# Altium PCB PCB2_dirt_routed.PcbDoc (part 1 of 2) (continued)
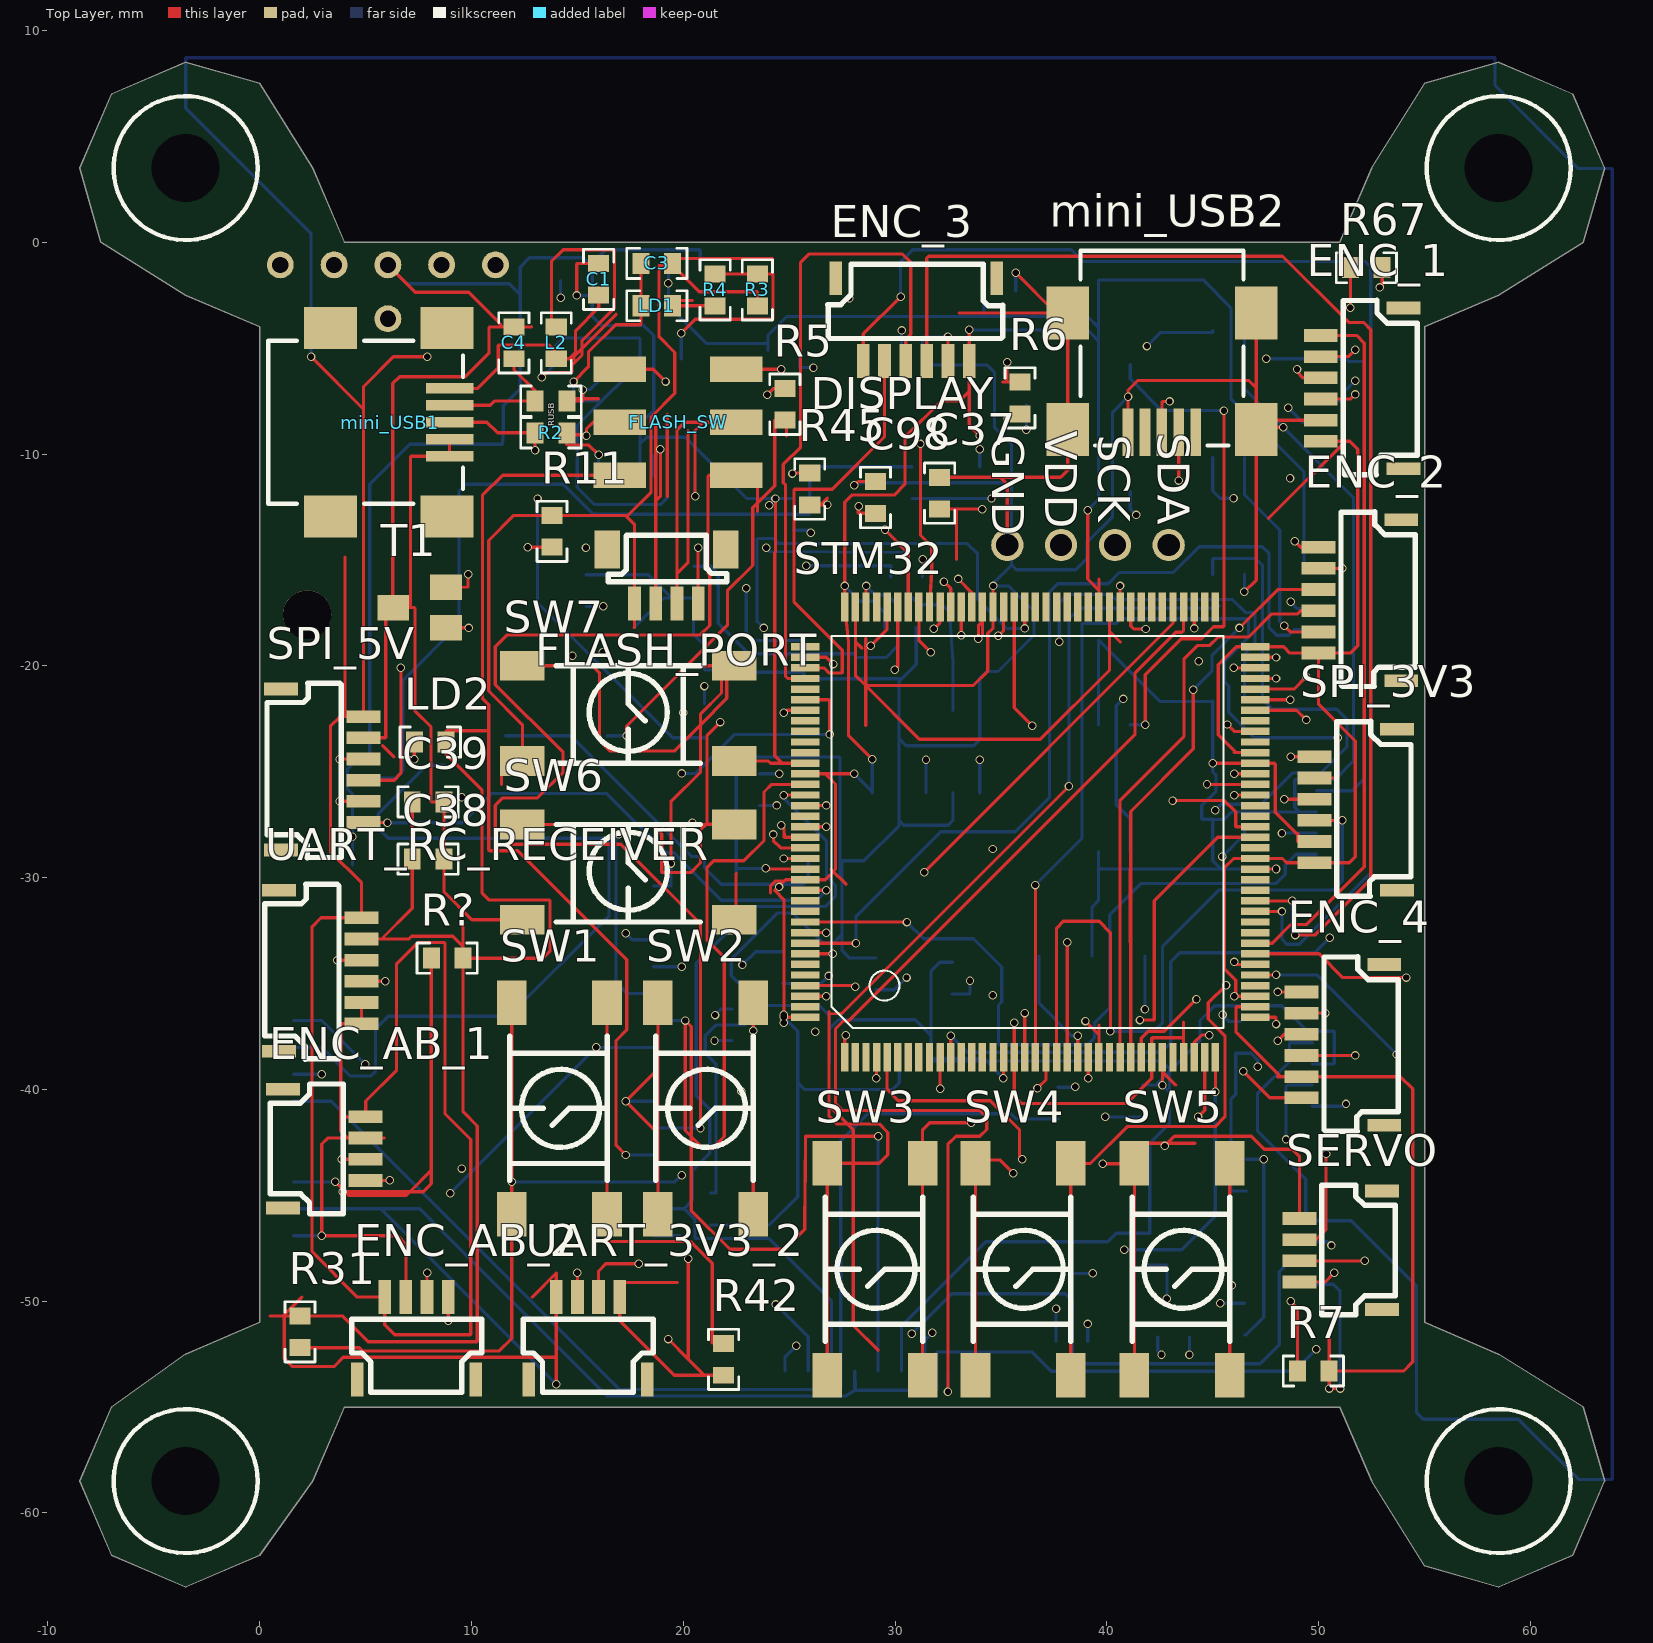
[diagram p0: Top Layer view]
## Footprints (in the part's own frame and the unit in brackets; to place one, negate y for a bottom-side part, rotate by r counter-clockwise, add the part's x,y. Pads: shape width x height; smd on the part's side, far side on the other; paste and mask are expansions set on the pad) (continued)
  rect 1.35x0.35 smd: 37(0,0) 38(0,0.5) 39(0,1) 40(0,1.5) 41(0,2) 42(0,2.5) 43(0,3) 44(0,3.5) 45(0,4) 46(0,4.5) 47(0,5) 48(0,5.5) 49(0,6) 50(0,6.5) 51(0,7) 52(0,7.5) 53(0,8) 54(0,8.5) 55(0,9) 56(0,9.5) 57(0,10) 58(0,10.5) 59(0,11) 60(0,11.5) 61(0,12) 62(0,12.5) 63(0,13) 64(0,13.5) 65(0,14) 66(0,14.5) 67(0,15) 68(0,15.5) 69(0,16) 70(0,16.5) 71(0,17) 72(0,17.5) 109(-21.25,17.5) 110(-21.25,17) 111(-21.25,16.5) 112(-21.25,16) 113(-21.25,15.5) 114(-21.25,15) 115(-21.25,14.5) 116(-21.25,14) 117(-21.25,13.5) 118(-21.25,13) 119(-21.25,12.5) 120(-21.25,12) 121(-21.25,11.5) 122(-21.25,11) 123(-21.25,10.5) 124(-21.25,10) 125(-21.25,9.5) 126(-21.25,9) 127(-21.25,8.5) 128(-21.25,8) 129(-21.25,7.5) 130(-21.25,7) 131(-21.25,6.5) 132(-21.25,6) 133(-21.25,5.5) 134(-21.25,5) 135(-21.25,4.5) 136(-21.25,4) 137(-21.25,3.5) 138(-21.25,3) 139(-21.25,2.5) 140(-21.25,2) 141(-21.25,1.5) 142(-21.25,1) 143(-21.25,0.5) 144(-21.25,0)
  silkscreen extent -20,-0.5 -1.5,18, body extent -21.62,-2.25 0.38,19.75, height 2
"LSH Gullwing" [mm]
  rect 2.1x1.4 smd: 1(-10,4.5) 2(0,4.5) 3(-10,0) 4(0,0)
  silkscreen extent -8.4,0 -1.6,4.6, body extent -10,-0.75 0,5.25, height 4.97
"MinIMU-9 v5 9DOF - GOLDPINS" [mil]
  round 50 hole 30: 1(-450,50) 2(-350,50) 3(-250,50) 4(-150,50) 5(-50,50) 6(-250,150)
  round 90 hole 90: 7(-400,700)
  silkscreen extent -500,0 0,800, body extent -500,0 0,800, height 336
R0603 [mm]
  rect 0.8x1 smd: 1(0,0) 2(1.5,0)
  silkscreen extent -0.67,-0.71 2.17,0.71, body extent -0.04,-0.43 1.56,0.43, height 0.48
"R0603 - double" [mil]
  rect 31x38 smd: 1(-63,0) 2(0,0) 3(62.99,0)
  silkscreen extent -88,-28 87,28, body extent -64,-17 67,17, height 19
SMT-0540-S-R [mm]
  rect 1x1.2 smd: 1(0,4.8) 2(0,0) ""(-3.5,0)
  silkscreen extent -3.8,1 0.4,3.9, body extent -4.25,-0.4 0.75,5.1, height 2.11
SOT23 [mm]
  rect 1.2x1.5 smd: 1(0,0) 2(1.9,0) 3(0.95,2.5)
  body extent -0.48,0.02 2.52,2.52, height 1.06
SSD1306 [mil]
  round 60 hole 41.34: 1(0,0) 2(100,0) 3(200,0) 4(300,0)
  body extent -376,-1006 675,91, height 373
SSOP16 [mm]
  rect 0.42x1.3 smd: 1(-4.55,-5.5) 2(-3.9,-5.5) 3(-3.25,-5.5) 4(-2.6,-5.5) 5(-1.95,-5.5) 6(-1.3,-5.5) 7(-0.65,-5.5) 8(0,-5.5) 9(0,0) 10(-0.65,0) 11(-1.3,0) 12(-1.95,0) 13(-2.6,0) 14(-3.25,0) 15(-3.9,0) 16(-4.55,0)
  silkscreen extent -4.5,-4.5 0,-1, body extent -4.91,-6 0.39,0.46, height 1.65

## Part data
C1 C2 C3 C4 C5 C21 C22 C23 C27 C28 C37 C38 C39 C51 C61 C70 C71 C72 C73 C74 C75 C76 C77 C78 C79 C80 C98 C99: library part Cap
ENC_1 ENC_2 ENC_3 ENC_4 SPI_3V3 SPI_5V: library part SPI
FLASH_PORT: library part UART_4PIN
I2C_3V3 I2C_5V: library part I2C
L2: library part L
LD1 LD2 LD3 LD4 LD5 LD6 LD7 LD8 LD9: library part LED
mini_USB1 mini_USB2: "Mini USB 2.0 Type AB Receptacle WR-COM, Horizontal, SMT, with Pads"
R2 R3 R4 R5 R6 R6? R7 R7? R8 R8? R9 R9? R11 R21 R22 R23 R24 R25 R26 R31 R32 R42 R45 R47 R48 R49 R52 R67 R68 R? R?7 RUSB: library part Res
R10: library part Res_2_way
SERVO: library part "4 PIN CONNECTOR"
SW1 SW2 SW3 SW4 SW5 SW6 SW7: library part Tact_Switch_Simply
U1: library part FT230XS_ON_BOARD
UART_RC_RECEIVER: library part UART

## Free pads (board coordinates)
  round 0 hole 3.2: ""(-3.5,-58.5) ""(-3.5,3.5) ""(58.5,-58.5) ""(58.5,3.5)

## Via types
v1: diameter 0.4, hole 0.3, Top Layer to Bottom Layer, 275 vias

## Nets (pads, with @x,y where several pads share a name; then routed paths per layer and width w, separated by ;. In a path a pad name is that pad's centre, name@x,y a point inside that pad or via, vN(x,y) a via of type N, cw(c..) or ccw(c..) an arc to the next point about the centre after c; other vN are vias at no path point)
GND: C1.1 C2.1 C3.2 C4.2 C5.2 C21.2 C22.2 C23.2 C27.2 C28.2 C37.2 C38.1 C39.1 C61.2 C70.1 C71.1 C72.1 C73.1 C74.1 C75.1 C76.1 C77.1 C78.1 C79.1 C80.1 C98.2 C99.1 DISPLAY.1 ENC_1.2 ENC_2.2 ENC_3.2 ENC_4.2 ENC_AB_1.2 ENC_AB_2.2 ENC_AB_3.2 ENC_AB_4.2 ESP32.1 ESP32.15 ESP32.38 FLASH_PORT.4 IDC*.2 IDC*.4 IDC*.6 IDC*.9 IMU.3 LD3.2 LD4.2 LD5.2 LD6.2 LD7.2 LD8.2 LD9.2 LED_UP.2 LIGHTS.2 mini_USB1.4 mini_USB1.5 mini_USB2.5 mini_USB2.Shell Oscilator_1.2 R3.2 R7.1 R10.3 R11.2 R22.1 R24.1 R26.1 R32.1 R42.1 SPI_3V3.2 SPI_5V.2 STM32.16 STM32.31 STM32.38 STM32.51 STM32.61 STM32.83 STM32.94 STM32.107 STM32.120 STM32.130 SW6.1 SW6.2 SW7.1 SW7.2 T1.3 U1.5 U1.13 UART_3V3_2.4 UART_5V_2.4 UART_RC_RECEIVER.5 UART_RC_RECEIVER.6 uSD_slot.6 | length 791.6
  Top Layer w0.152: UART_RC_RECEIVER.5@4.8,-35.9 4.8,-36.424 UART_RC_RECEIVER.6@4.8,-36.9 3.845,-36.9 3.829,-36.916 3.829,-41.966 4.163,-42.3 ; SPI_5V.2@4.9,-23.4 5.775,-23.4 5.928,-23.4 5.953,-23.375 5.953,-17.25 T1.3@6.283,-17.25 ; 5.801,-23.767 6.334,-24.3 ; 5.877,-42.3 ENC_AB_1.2@5,-42.3 4.163,-42.3 ; IMU.3@6.05,-1.07 7.342,-2.362 9.878,-2.362 11.148,-3.632 11.465,-4 ; ENC_AB_2.2@6.9,-49.8 6.9,-47.307 6.506,-46.914 v1(2.931,-46.914) 2.931,-42.579 3.21,-42.3 4.163,-42.3 ; mini_USB1.4@8.965,-9.3 8.965,-9.703 mini_USB1.5@8.965,-10.1 7.147,-10.1 7.122,-10.125 7.122,-17.225 7.096,-17.25 ; 11.414,-25.603 SW7.2@11.414,-24.496 ; SW6.2@12.4,-31.996 10.017,-31.996 8.7,-30.679 C38.1@8.7,-29.125 8.7,-27.788 C39.1@8.7,-26.425 8.112,-26.425 8.087,-26.4 8.087,-22.885 7.325,-22.123 7.325,-17.275 7.299,-17.25 7.096,-17.25 ; SW7.2@12.4,-24.496 12.405,-24.496 12.405,-22.779 10.817,-21.191 10.817,-14.085 12.002,-12.9 12.76,-12.9 12.973,-12.9 R11.2@13.8,-12.9 17.265,-12.9 ; 12.837,-3.988 12.824,-4 C4.2@12,-4 11.465,-4 ; v1(14.97,-2.514) 14.97,-1.025 14.996,-1 C1.1@16,-1 ; UART_3V3_2.4@17,-49.8 17,-50.925 17.002,-50.927 19.575,-53.5 20.99,-53.5 ; UART_3V3_2.4@17,-49.124 19.72,-49.124 ; 17.688,-18.186 17.699,-18.176 17.7,-18.174 ; 17.7,-18.177 17.7,-18.174 ; v1(19.288,-51.791) 20.232,-52.742 ; C3.2@19.5,-1 C3.2@19.5,-1.092 ; C3.2@19.5,-0.762 24.216,-0.762 ; v1(20.232,-47.992) 20.232,-52.742 ; R42.1@21.9,-53.5 21.244,-53.5 20.99,-53.5 ; SW6.1@22.4,-31.996 22.489,-31.996 22.489,-29.82 22.5,-29.808 ; SW7.1@22.4,-24.496 24.013,-24.496 24.116,-24.6 24.673,-24.6 ; R3.2@23.5,-3 23.505,-3 23.505,-2.362 23.479,-2.337 20.745,-2.337 C3.2@19.5,-1.092 ; v1(23.886,-29.566) 23.92,-29.6 STM32.130@25.75,-29.6 ; v1(24.352,-12.1) 24.352,-14.64 24.317,-14.675 24.317,-24.244 24.673,-24.6 ; STM32.120@25.75,-24.6 24.673,-24.6 ; 26.968,-29.6 27.686,-30.318 ; v1(28.074,-11.481) 28.254,-11.3 C98.2@29.075,-11.3 ; STM32.107@28.125,-17.225 28.125,-18.237 28.125,-18.796 28.125,-18.862 ; 28.61,-22.822 28.61,-20.93 ; 28.61,-18.722 28.61,-20.93 ; C37.2@32.1,-11.1 34.97,-11.1 ; v1(32.496,-4.47) 32.5,-4.474 ENC_3.2@32.5,-5.6 ; 33.03,-3.34 mini_USB2.Shell@37.592,-3.34 ; v1@34.625,-16.223 v1@34.625,-16.235 ; v1@34.63,-16.11 v1(34.63,-16.231) v1@34.625,-16.235 ; v1(35.112,-39.472) 35.125,-39.459 STM32.16@35.125,-38.475 ; DISPLAY.1@35.3,-14.3 35.3,-11.43 34.97,-11.1 ; v1(35.7,-1.448) mini_USB2.Shell@37.592,-3.34 ; STM32.83@40.125,-17.225 40.125,-18.365 ; 40.636,-18.876 40.125,-18.365 ; mini_USB2.5@41,-8.965 v1(41,-7.294) 41,-6.985 41.457,-6.528 46.708,-6.528 47.05,-6.87 ; v1(42.625,-39.8) 42.625,-39.165 ; STM32.31@42.625,-38.475 42.625,-39.165 ; 43.26,-39.8 42.625,-39.165 ; v1(45,-24.6) STM32.61@47,-24.6 47.917,-24.6 47.955,-24.638 47.955,-26.915 49.016,-27.975 ; v1(46.492,-16.51) 47.05,-15.952 mini_USB2.Shell@47.05,-8.84 mini_USB2.Shell@47.05,-8.738 ; STM32.38@47,-36.1 46.136,-36.1 46.096,-36.14 46.096,-37.286 48.211,-39.4 ; STM32.51@47,-29.6 v1@47.981,-29.6 ; mini_USB2.Shell@47.05,-3.34 47.05,-4.686 47.05,-6.096 47.05,-6.87 ; v1(47.99,-29.591) v1@47.981,-29.6 ; v1@48.002,-29.6 v1(47.99,-29.6) v1@47.981,-29.6 ; 48.066,-39.4 48.211,-39.4 ; v1(48.329,-8.738) mini_USB2.Shell@47.05,-8.738 ; v1(48.371,-18.11) 48.661,-18.4 ENC_2.2@50,-18.4 ; SPI_3V3.2@49.016,-28.3 49.016,-27.975 ; 49.016,-27.927 49.016,-27.975 ; SPI_3V3.2@49.8,-28.3 49.341,-28.3 49.016,-27.975 ; ENC_1.2@50.1,-8.4 47.331,-8.4 mini_USB2.Shell@47.05,-8.119 ; v1(50.5,-54.127) v1@50.5,-54.102 ; 50.5,-51.364 R7.1@50.5,-53.3 ; v1(51.013,-54.127) 50.525,-54.127 50.513,-54.115 v1@50.5,-54.102 ; T1.3@6.283,-17.25 6.283,-10.477 6.283,-6.667 6.601,-6.35 9.7,-6.35 10.83,-5.22 10.83,-4.025 10.855,-4 11.465,-4 ; T1.3@6.283,-17.25 T1.3@6.3,-17.25 7.096,-17.25 ; 17.265,-12.9 17.39,-12.9 18.479,-11.811 18.479,-8.252 19.593,-7.137 19.593,-5.207 18.856,-4.47 18.856,-1.118 18.882,-1.092 C3.2@19.5,-1.092 ; 17.265,-12.9 17.7,-13.335 FLASH_PORT.4@17.7,-17.05 17.7,-18.174 ; 20.232,-52.742 20.99,-53.5 ; 28.125,-18.862 28.125,-20.445 28.61,-20.93 ; 28.125,-18.862 28.442,-19.179 28.409,-19.147 28.125,-18.862 ; 28.61,-20.93 28.612,-20.931 ; 28.612,-20.931 31.15,-23.47 36.865,-23.47 40.125,-20.21 40.125,-18.365 ; 28.612,-20.931 33.696,-20.931 34.379,-20.249 34.379,-18.469 34.625,-18.223 STM32.94@34.625,-17.225 v1@34.625,-16.235 ; 34.97,-11.1 36.002,-11.1 37.818,-11.1 38.15,-10.768 mini_USB2.Shell@38.15,-8.84 38.15,-6.096 mini_USB2.Shell@38.15,-3.34 mini_USB2.Shell@37.592,-3.34 ; mini_USB2.Shell@47.05,-8.738 mini_USB2.Shell@47.05,-8.119 ; mini_USB2.Shell@47.05,-8.119 47.05,-6.87 ; 48.211,-39.4 ENC_4.2@49.2,-39.4 53.862,-39.4 54.442,-39.98 54.442,-52.868 54.01,-53.3 R7.1@50.5,-53.3 ; v1@50.5,-54.102 R7.1@50.5,-53.3
  Signal Layer 1 w0.152: v1(24.051,-12.421) 24.991,-11.481 v1(28.074,-11.481) ; v1(46.492,-16.51) 48.092,-18.11 v1(48.371,-18.11)
  Signal Layer 2 w0.152: v1(2.931,-46.914) 4.378,-45.466 v1(4.378,-28.067) 2.194,-30.251 2.194,-51.435 2.55,-51.791 v1(19.288,-51.791) 19.466,-51.791 21.523,-53.848 32.715,-53.848 32.994,-54.127 v1(50.5,-54.127) ; v1(34.63,-16.231) 35.3,-15.56 ; 47.838,-24.752 47.838,-29.436 v1@48.002,-29.6 ; 48.066,-39.408 49.803,-37.671 ; 48.143,-26.9 48.143,-24.565
  Bottom Layer w0.152: ESP32.1@1.6,-46.91 2.927,-46.91 v1(2.931,-46.914) ; v1(4.378,-28.067) v1@4.385,-28.074 ; ESP32.15@4.385,-29.4 v1@4.385,-28.074 ; LED_UP.2@5.2,-24.3 LED_UP.2@5.191,-24.3 ; IMU.3@6.05,-1.07 6.936,-1.956 11.783,-1.956 12.3,-2.473 ; v1(14.97,-2.514) 15.58,-2.514 15.7,-2.394 ; LD4.2@15.4,-15.7 18.348,-15.7 19.448,-16.8 ; 17.688,-18.186 19.074,-16.8 19.448,-16.8 ; U1.5@17.95,-11 17.95,-9.525 ; ESP32.38@18.6,-46.91 19.834,-46.91 20.232,-47.307 v1(20.232,-47.992) ; C99.1@20.5,-16.8 C99.1@20.482,-16.8 ; C77.1@20.8,-1.1 20.8,-0.381 20.775,-0.356 16.335,-0.356 15.7,-0.991 15.7,-1.162 ; C71.1@21.3,-44.9 21.549,-44.9 21.549,-38.811 21.041,-38.303 21.041,-37.465 21.549,-36.957 22.92,-36.957 23.835,-36.043 ; 22.5,-29.808 22.5,-29.54 ; v1(23.886,-29.566) 22.525,-29.566 22.5,-29.54 ; v1(24.051,-12.421) v1@24.371,-12.1 ; LD7.2@25.2,-12.1 v1@24.371,-12.1 ; R32.1@25.7,-20.3 R32.1@25.689,-20.3 ; C76.1@26.9,-38.7 26.9,-37.148 ; v1(28.074,-11.481) 28.201,-11.354 35.475,-11.354 35.5,-11.328 ; LD8.2@29.1,-33.8 27.862,-33.8 27.489,-33.427 27.489,-32.706 ; uSD_slot.6@30.3,-53.3 30.3,-51.181 34.281,-47.2 LD5.2@38.5,-47.2 40.04,-47.2 40.44,-46.8 LD6.2@42,-46.8 42.021,-46.8 42.021,-42.545 42.961,-41.605 42.961,-40.136 ; C70.1@31,-18.2 31,-19.928 30.314,-20.614 ; v1(32.496,-4.47) 31.325,-4.47 31.3,-4.496 LIGHTS.2@31.3,-5.3 31.3,-5.791 34.325,-5.791 34.7,-6.166 C61.2@34.7,-7.7 34.7,-8.75 35.5,-9.55 C80.1@35.5,-10.6 35.5,-11.328 ; LD3.2@32.7,-34 32.103,-34 31.7,-34.403 31.7,-37.465 ; IDC*.2@32.73,-26 32.73,-27.305 32.501,-27.534 30.413,-27.534 30.19,-27.31 ; v1(34.63,-16.231) 35.366,-16.231 36.56,-17.424 36.56,-18.567 34.858,-20.269 34.325,-20.269 34,-20.594 IDC*.6@34,-22.1 34,-23.49 33.715,-23.774 30.515,-23.774 30.19,-23.449 ; v1@34.63,-16.11 35.5,-15.24 ; v1(35.112,-39.472) 34.3,-38.659 ; DISPLAY.1@35.3,-14.3 35.3,-12.573 35.5,-12.373 ; C79.1@35.7,-2.3 v1(35.7,-1.448) ; Oscilator_1.2@39.3,-33.7 39.3,-31.394 39.6,-31.094 39.6,-29.489 ; C23.2@39.6,-28.779 39.6,-29.489 ; C22.2@39.6,-22.779 C21.2@39.6,-18.779 42.513,-21.692 C27.2@45,-21.692 ; v1(41,-7.294) 40.272,-8.022 40.272,-12.961 39.08,-14.153 39.08,-14.922 38.534,-15.469 35.729,-15.469 35.5,-15.24 ; LD9.2@41.7,-39.8 42.307,-39.8 ; C27.2@45,-21.679 C27.2@45,-21.692 ; v1(46.492,-16.51) 46.5,-16.501 R26.1@46.5,-15.679 ; R24.1@46.5,-10.179 46.5,-11.921 48.168,-13.589 48.168,-17.907 v1(48.371,-18.11) ; R22.1@46.5,-4.179 46.5,-6.909 v1(48.329,-8.738) 51.648,-12.056 51.648,-24.486 50.762,-25.371 48.9,-25.371 48.871,-25.4 48.871,-26.689 49.082,-26.9 ; v1(47.99,-29.6) 39.711,-29.6 39.6,-29.489 ; v1(47.99,-29.591) 45.381,-29.591 45,-29.21 C28.2@45,-27.679 C28.2@45,-27.255 ; UART_5V_2.4@49.4,-49.2 50.683,-49.2 51.013,-49.53 v1(51.013,-54.127) ; ENC_AB_4.2@49.7,-38.8 50.708,-38.8 50.733,-38.775 50.733,-37.287 50.708,-37.262 49.476,-37.262 48.268,-36.054 45.096,-36.054 44.399,-36.751 44.399,-37.708 42.961,-39.146 ; ENC_AB_3.2@49.9,-26.9 49.082,-26.9 ; v1(50.5,-54.127) C74.1@50.5,-53.3 ; v1@4.385,-28.074 4.385,-26.067 4.15,-25.832 4.15,-24.859 4.709,-24.3 LED_UP.2@5.191,-24.3 ; LED_UP.2@5.191,-24.3 5.191,-11.43 7.084,-9.537 11.465,-9.537 C5.2@11.5,-9 11.5,-7.722 12.3,-6.922 C2.1@12.3,-5.6 12.3,-2.473 ; 12.3,-2.473 12.3,-1.172 12.735,-0.737 15.275,-0.737 15.7,-1.162 ; 15.7,-2.394 C78.1@15.7,-1.8 15.7,-1.162 ; 15.7,-2.394 15.7,-3.492 16.144,-3.937 18.133,-3.937 18.6,-4.405 U1.13@18.6,-5.5 18.6,-7.935 17.95,-8.585 17.95,-9.525 ; 17.95,-9.525 18.268,-9.207 20.101,-9.207 22.994,-12.1 v1(24.352,-12.1) v1@24.371,-12.1 ; 19.448,-16.8 C99.1@20.482,-16.8 ; C99.1@20.482,-16.8 20.482,-18.507 21,-19.025 R10.3@21,-20.2 23.276,-20.2 23.376,-20.3 R32.1@25.689,-20.3 ; 22.5,-29.54 C73.1@22.5,-29 22.5,-24.703 22.895,-24.308 27.375,-24.308 27.4,-24.333 C72.1@27.4,-29.2 C72.1@27.4,-29.21 ; 23.835,-36.043 26.43,-36.043 26.9,-36.512 26.9,-37.148 ; 23.835,-36.043 23.657,-36.043 22.26,-34.646 22.26,-33.858 24.441,-31.677 25.181,-31.677 26.6,-33.096 27.099,-33.096 27.489,-32.706 ; R32.1@25.689,-20.3 25.689,-20.614 30.314,-20.614 ; 26.9,-37.148 27.329,-36.719 30.954,-36.719 31.7,-37.465 ; C72.1@27.4,-29.21 C72.1@27.492,-29.21 ; C72.1@27.4,-29.21 27.4,-29.856 27.489,-29.945 27.489,-32.706 ; 27.489,-32.706 27.492,-32.703 C72.1@27.492,-29.21 ; C72.1@27.492,-29.21 28.53,-29.21 30.19,-27.55 30.19,-27.31 ; 30.19,-27.31 IDC*.4@30.19,-26 30.19,-24.054 30.19,-23.449 ; 30.19,-23.449 IDC*.9@30.19,-22.1 30.19,-20.738 30.314,-20.614 ; C75.1@31.7,-38.557 31.7,-38.659 34.3,-38.659 ; C75.1@31.7,-38.557 34.198,-38.557 34.3,-38.659 ; C75.1@31.7,-38.557 C75.1@31.7,-38.3 31.7,-37.465 ; 34.3,-38.659 42.58,-38.659 42.961,-39.04 42.961,-39.146 ; 35.5,-15.24 35.5,-14.3 35.5,-12.373 ; 35.5,-12.373 35.5,-11.328 ; 42.307,-39.8 42.961,-39.146 ; 42.307,-39.8 v1(42.625,-39.8) 42.961,-40.136 ; 42.961,-40.136 42.961,-39.146 ; C28.2@45,-27.255 45.552,-27.255 45.907,-26.9 49.082,-26.9 ; C28.2@45,-27.255 45,-27.251 44.51,-27.251 44.485,-27.226 44.485,-26.588 45.158,-25.914 45.158,-25.171 45,-25.014 v1(45,-24.6) C27.2@45,-21.692
  other v1: 50.5,-54.127
NetBuzzer_1: Buzzer.1 R5.1 | length 19.9
  Top Layer w0.152: v1(17.324,-23.3) 17.324,-22.843 22.082,-18.085 22.082,-16.459 23.276,-15.265 23.276,-12.54 24.317,-11.498 24.317,-8.4 R5.1@24.8,-8.4 ; 24.876,-9.144 R5.1@24.876,-8.4
  Bottom Layer w0.152: Buzzer.1@16.4,-23.3 v1(17.324,-23.3)
NetC1_2: C1.2 L2.1 mini_USB1.1 | length 14.4
  Top Layer w0.152: mini_USB1.1@8.965,-6.9 10.297,-6.9 11.262,-5.935 11.262,-4.877 11.287,-4.851 13.675,-4.851 13.903,-5.08 13.903,-5.5 L2.1@14,-5.5 14.61,-5.5 ; 14.827,-5.5 14.728,-5.5 ; C1.2@16,-2.5 16.012,-2.5 16.012,-3.079 14.912,-4.179 14.912,-5.199 14.61,-5.5 ; 16.827,-3.401 14.728,-5.5 ; 14.61,-5.5 14.728,-5.5
NetC2_2: C2.2 L2.2 U1.12 | length 21.5
  Top Layer w0.152: v1(13.319,-6.375) 13.548,-6.147 14.703,-6.147 14.729,-6.121 14.729,-5.817 15.217,-5.329 15.217,-4.656 16.748,-3.124 16.748,-0.381 16.723,-0.356 14.323,-0.356 13.776,-0.902 13.776,-4 L2.2@14,-4
  Bottom Layer w0.152: v1(13.319,-6.375) 13.8,-5.895 C2.2@13.8,-5.6 13.8,-5.044 14.323,-4.521 17.925,-4.521 17.95,-4.547 U1.12@17.95,-5.5
NetC3_1: C3.1 LD1.1 U1.3 U1.10 U1.11 | length 27.1
  Top Layer w0.152: v1(14.818,-6.579) 15.521,-5.875 15.521,-5.182 16.812,-3.891 17.97,-3.891 18,-3.861 LD1.1@18,-3 18,-2.007 C3.1@18,-1 ; 19.237,-11.989 19.237,-8.128
  Bottom Layer w0.152: v1(14.818,-6.579) 14.818,-7.468 14.843,-7.493 16.157,-7.493 ; U1.10@16.65,-5.5 U1.11@17.3,-5.5 17.3,-6.35 16.157,-7.493 ; U1.3@19.25,-11 19.25,-12.065 18.932,-12.383 15.796,-12.383 14.996,-11.582 14.996,-8.654 16.157,-7.493
NetC4_1: C4.1 mini_USB1.2 RUSB.2 | length 6.5
  Top Layer w0.152: mini_USB1.2@8.965,-7.7 10.881,-7.7 11.081,-7.5 RUSB.2@13,-7.5 13,-7.01 12,-6.01 C4.1@12,-5.5
NetC5_1: C5.1 mini_USB1.3 R2.2 | length 5.9
  Top Layer w0.152: mini_USB1.3@8.965,-8.5 10.728,-8.5 11.228,-9 R2.2@13,-9 v1(13,-9.83)
  Bottom Layer w0.152: v1(13,-9.83) C5.1@13,-9
NetC21_1: C21.1 R21.1 SW3.1 SW3.2 | length 53
  Top Layer w0.152: SW3.1@26.8,-53.5 26.8,-49.213 26.8,-48.514 SW3.2@26.8,-43.5 26.8,-43.485 29.245,-43.485 29.651,-43.078 29.651,-42.037 29.245,-41.631 27.238,-41.631 26.883,-41.275 26.883,-36.437 27.493,-36.411 v1(38.211,-25.693)
  Bottom Layer w0.152: v1(38.211,-25.693) 38.211,-17.78 38.712,-17.279 C21.1@39.6,-17.279 45.198,-17.279 45.303,-17.174
NetC22_1: C22.1 R23.1 SW4.1 SW4.2 | length 62.7
  Top Layer w0.152: SW4.1@33.8,-53.5 33.8,-51.117 33.8,-48.514 SW4.2@33.8,-43.5 33.8,-43.332 34.938,-43.332 v1(35.573,-43.967) ; v1(41.818,-22.784) 41.818,-20.426 43.516,-18.728 44.469,-18.728 45.036,-18.161 45.503,-18.161 45.529,-18.136 v1(45.529,-7.95)
  Signal Layer 2 w0.152: v1(35.573,-43.967) 39.989,-43.967 41.259,-42.697 41.259,-37.551 41.628,-37.182 41.97,-37.182 42.018,-37.135 42.018,-36.652 42.229,-36.442 42.229,-35.814 41.818,-35.403 v1(41.818,-22.784)
  Bottom Layer w0.152: C22.1@41.1,-22.779 41.1,-22.784 v1(41.818,-22.784) ; R23.1@41.1,-5.779 41.1,-6.452 42.599,-7.95 v1(45.529,-7.95)
NetC23_1: C23.1 R25.1 SW5.1 SW5.2 | length 68.6
  Top Layer w0.152: v1(39.811,-43.51) SW5.2@41.3,-43.51 ; 41.1,-33.064 41.1,-29.606 ; SW5.1@41.3,-53.5 41.3,-48.514 SW5.2@41.3,-43.51 ; SW5.2@41.3,-43.5 SW5.2@41.3,-43.51 ; SW5.2@41.3,-42.547 44.159,-42.547
  Signal Layer 2 w0.152: v1(39.811,-43.51) 39.811,-43.485 40.751,-42.545 40.751,-37.033 40.04,-36.322 40.04,-15.583 39.389,-14.932 39.389,-13.89 40.401,-12.878 v1(41.386,-12.878) 41.386,-17.03 40.777,-17.64 v1(40.777,-21.565)
  Bottom Layer w0.152: v1(40.777,-21.565) 40.446,-21.895 40.446,-26.568 41.1,-27.222 C23.1@41.1,-28.779 ; R25.1@41.1,-11.779 41.1,-12.592 v1(41.386,-12.878)
NetC27_1: C27.1 C37.1 ESP32.3 R?.1 SW6.3 SW6.4 | length 141.1
  Top Layer w0.152: v1(3.566,-44.37) v1@4.027,-44.831 ; v1(3.921,-44.831) v1@4.027,-44.831 ; R?.1@8.1,-33.8 8.1,-34.722 8.1,-43.827 ; SW6.4@12.4,-27.496 18.45,-27.496 18.54,-27.496 ; v1(20.431,-27.407) v1@20.521,-27.496 ; v1(21.752,-22.657) 21.122,-23.287 21.122,-27.457 SW6.3@22.4,-27.496 21.066,-27.496 ; C37.1@32.1,-12.6 32.903,-12.6 ; 32.903,-14.986 32.903,-12.624 32.915,-12.612 32.903,-12.6 ; v1(34.122,-12.6) 32.903,-12.6 ; v1@4.027,-44.831 4.201,-45.005 6.922,-45.005 7.096,-44.831 ; v1@4.027,-44.831 7.096,-44.831 ; 7.096,-44.831 8.1,-43.827 ; 7.096,-44.831 7.719,-44.831 8.1,-44.45 8.1,-43.827 ; 18.54,-27.496 v1@20.521,-27.496 ; 18.54,-27.496 18.983,-27.94 18.983,-29.74 19.009,-29.766 20.355,-29.766 20.812,-29.308 20.812,-27.75 21.066,-27.496 ; v1@20.521,-27.496 21.066,-27.496
  Signal Layer 1 w0.152: v1(21.752,-22.657) 33.969,-22.657 v1(37.754,-18.872)
  Signal Layer 2 w0.152: v1(3.921,-44.831) 2.499,-46.253 2.499,-49.416 2.893,-49.809 11.948,-49.809 14.615,-47.142 14.615,-40.767 18.602,-36.779 18.602,-24.765 18.983,-24.384 20.05,-24.384 20.431,-24.765 v1(20.431,-27.407) ; v1(34.122,-12.6) 34.122,-11.713 34.163,-11.671 35.913,-11.671 36.291,-12.049 36.291,-17.409 v1(37.754,-18.872)
  Bottom Layer w0.152: ESP32.3@1.6,-44.37 v1(3.566,-44.37) ; v1(37.754,-18.872) 37.754,-17.018 38.135,-16.637 40.192,-16.637 40.425,-16.869 45.925,-16.869 46.534,-17.478 46.949,-17.478 46.996,-17.526 46.996,-18.945 46.5,-19.441 C27.1@46.5,-21.679
NetC28_1: C28.1 ESP32.25 SW7.3 SW7.4 | length 74.4
  Top Layer w0.152: SW7.4@12.4,-19.996 15.713,-19.996 ; v1(19.415,-29.337) 19.415,-26.416 20.817,-25.014 20.817,-22.779 ; SW7.3@22.4,-19.996 SW7.3@22.057,-19.996 ; 15.713,-19.996 16.037,-20.32 16.037,-23.52 16.545,-24.028 19.568,-24.028 20.817,-22.779 ; 15.713,-19.996 SW7.3@21.803,-19.996 ; 20.817,-22.779 20.817,-22.271 21.803,-21.285 SW7.3@21.803,-19.996 ; 20.817,-22.779 22.057,-21.539 SW7.3@22.057,-19.996 ; SW7.3@21.803,-19.996 SW7.3@22.057,-19.996
  Signal Layer 1 w0.152: v1(19.415,-29.337) 19.615,-29.137 24.009,-29.137 24.495,-28.651 v1(34.604,-28.651) ; v1(34.604,-35.56) 36.128,-34.036 43.952,-34.036 45.45,-32.537 v1(45.45,-29.007)
  Signal Layer 2 w0.152: v1(34.604,-35.56) v1(34.604,-28.651)
  Bottom Layer w0.152: ESP32.25@18.6,-30.4 19.415,-30.4 v1(19.415,-29.337) ; v1(45.45,-29.007) 46.5,-27.957 C28.1@46.5,-27.679
NetC51_1: C51.1 ESP32.33 R32.2 STM32.138 SW2.1 SW2.2 | length 107.2
  Top Layer w0.152: SW2.1@18.8,-45.9 18.8,-42.082 ; SW2.2@18.8,-35.9 18.8,-39.045 ; STM32.138@25.75,-33.6 27.056,-33.6 v1(27.061,-33.604) ; 18.8,-42.082 18.8,-40.919 18.8,-39.045 ; 18.8,-42.082 v1(17.282,-40.564) 18.8,-39.045
  Signal Layer 1 w0.152: v1(17.282,-40.564) 11.16,-40.564 6.957,-44.767 5.966,-44.767 5.699,-44.501 5.699,-36.855 8.95,-33.604 v1(27.061,-33.604)
  Signal Layer 2 w0.152: v1(17.282,-40.564) 19.136,-38.71 19.136,-36.322 20.355,-35.103 20.355,-28.486 21.066,-27.775 21.066,-22.073 21.447,-21.692 21.447,-17.869 v1(22.971,-16.345) 22.971,-6.858 24.483,-5.347 25.575,-5.347 v1(26.146,-5.918)
  Bottom Layer w0.152: v1(17.282,-40.564) 17.285,-40.56 ESP32.33@18.6,-40.56 ; v1(22.971,-16.345) 22.971,-18.415 23.356,-18.8 R32.2@25.7,-18.8 ; C51.1@25.5,-5.1 25.5,-5.893 25.525,-5.918 v1(26.146,-5.918)
NetC61_1: C61.1 ESP32.36 R31.1 STM32.25 SW1.1 SW1.2 | length 109.4
  Top Layer w0.152: R31.1@1.9,-52.2 4.698,-52.2 4.849,-52.351 11.314,-52.351 11.9,-51.765 11.9,-50.368 11.9,-47.168 SW1.1@11.9,-45.9 v1(11.9,-44.37) 11.9,-40.919 SW1.2@11.9,-35.9 ; v1(38.99,-36.775) 39.625,-37.41 ; STM32.25@39.625,-38.475 39.625,-37.41 ; 39.625,-36.957 39.625,-37.41
  Signal Layer 1 w0.152: v1(26.222,-37.274) 26.842,-37.894 37.246,-37.894 38.364,-36.775 v1(38.99,-36.775)
  Signal Layer 2 w0.152: v1(19.923,-44.053) 19.796,-44.18 19.796,-49.53 23.289,-53.023 25.905,-53.023 26.222,-52.705 v1(26.222,-37.274) ; v1(36.2,-8.86) 36.595,-9.255 36.595,-16.85 38.99,-19.245 v1(38.99,-36.775)
  Bottom Layer w0.152: v1(11.9,-44.37) ESP32.36@18.6,-44.37 19.606,-44.37 v1(19.923,-44.053) ; v1(36.2,-8.86) C61.1@36.2,-7.7
NetC98_1: C98.1 R45.2 STM32.71 | length 60
  Top Layer w0.152: v1(25.156,-10.922) 25.177,-10.9 R45.2@25.975,-10.9 ; v1@28.248,-12.483 28.248,-12.768 28.28,-12.8 28.305,-12.8 ; v1(28.28,-12.471) 28.28,-12.775 28.305,-12.8 ; C98.1@29.075,-12.8 28.305,-12.8 ; STM32.71@47,-19.6 47.981,-19.6 v1(47.99,-19.609)
  Signal Layer 1 w0.152: v1(25.156,-10.922) 28.483,-10.922 28.508,-10.947 28.508,-12.243 v1(28.28,-12.471)
  Signal Layer 2 w0.152: v1(28.28,-12.471) 28.508,-12.243 28.508,-8.56 27.137,-7.188 27.137,-2.54 27.569,-2.108 49.565,-2.108 49.997,-2.54 49.997,-17.602 v1(47.99,-19.609)
NetC99_2: C99.2 R45.1 STM32.106 | length 23.7
  Top Layer w0.152: R45.1@25.975,-12.4 26.484,-12.4 ; 26.802,-12.083 26.484,-12.4 ; v1(26.807,-12.4) 26.484,-12.4 ; STM32.106@28.625,-17.225 28.625,-16.241 v1(28.635,-16.231)
  Signal Layer 2 w0.152: v1(26.807,-12.4) 26.807,-14.402 v1(28.635,-16.231)
  Bottom Layer w0.152: C99.2@20.5,-15.3 21.308,-15.3 21.65,-15.643 21.65,-17.983 23.098,-19.431 28.026,-19.431 28.204,-19.609 29.575,-19.609 30.134,-19.05 30.134,-17.145 29.651,-16.662 29.067,-16.662 v1(28.635,-16.231)
NetDISPLAY_3: DISPLAY.3 STM32.54 | length 35.8
  Top Layer w0.152: v1(41.564,-36.728) 42.211,-36.728 42.236,-36.703 42.236,-31.103 45.239,-28.1 STM32.54@47,-28.1
  Signal Layer 2 w0.152: DISPLAY.3@40.38,-14.3 41.056,-14.976 41.056,-16.662 40.345,-17.374 40.345,-35.509 v1(41.564,-36.728)
NetDISPLAY_4: DISPLAY.4 STM32.55 | length 17.5
  Top Layer w0.152: v1(43.102,-26.365) 45.552,-26.365 46.085,-26.899 46.085,-27.575 46.111,-27.6 STM32.55@47,-27.6
  Signal Layer 2 w0.152: DISPLAY.4@42.92,-14.3 42.92,-14.935 42.504,-14.935 42.504,-18.237 42.859,-18.593 42.859,-26.123 v1(43.102,-26.365)
NetENC_1_3: ENC_1.3 STM32.43 | length 52.5
  Top Layer w0.152: STM32.43@47,-33.6 50.022,-33.6 51.144,-34.722 v1(54.137,-34.722) ; ENC_1.3@50.1,-7.4 51.512,-7.4 v1(51.724,-7.188)
  Signal Layer 2 w0.152: v1(51.724,-7.188) 50.978,-6.442 50.978,-1.305 51.47,-0.813 53.693,-0.813 54.137,-1.257 v1(54.137,-34.722)
NetENC_1_4: ENC_1.4 STM32.124 | length 79.2
  Top Layer w0.152: STM32.124@25.75,-26.6 26.75,-26.6 v1(26.756,-26.594) ; v1(48.981,-5.994) 48.981,-6.121 49.26,-6.4 ENC_1.4@50.1,-6.4
  Signal Layer 1 w0.152: v1(26.756,-26.594) 26.321,-27.029 23.178,-27.029 18.399,-22.25 6.563,-22.25 6.22,-21.907 6.22,-19.355 6.474,-19.101 14.964,-19.101 15.774,-18.291 16.631,-18.291 17.313,-18.974 25.46,-18.974 26.324,-18.11 28.864,-18.11 31.81,-15.164 33.035,-15.164 34.89,-13.309 35.948,-13.309 36.84,-14.201 36.84,-14.948 37.183,-15.291 38.415,-15.291 39.389,-14.316 39.389,-13.89 39.97,-13.309 42.148,-13.309 48.981,-6.477 v1(48.981,-5.994)
NetENC_1_5: ENC_1.5 STM32.41 | length 52.2
  Top Layer w0.152: STM32.41@47,-34.6 47.985,-34.6 v1(47.99,-34.595) ; ENC_1.5@50.1,-5.4 51.404,-5.4 v1(51.724,-5.08)
  Signal Layer 2 w0.152: v1(51.724,-5.08) 52.232,-4.572 52.232,-1.587 52.55,-1.27 53.362,-1.27 53.68,-1.587 v1(53.68,-38.354)
  Bottom Layer w0.152: v1(47.99,-34.595) 49.921,-34.595 v1(53.68,-38.354)
NetENC_1_6: ENC_1.6 STM32.44 | length 33.6
  Top Layer w0.152: STM32.44@47,-33.1 47.806,-33.1 48.696,-32.21 49.435,-32.21 52.156,-29.489 52.156,-4.763 51.793,-4.4 ENC_1.6@50.1,-4.4
NetENC_2_3: ENC_2.3 STM32.27 | length 27.3
  Top Layer w0.152: STM32.27@40.625,-38.475 40.625,-26.339 43.647,-23.317 43.647,-19.672 44.283,-19.036 44.858,-19.036 45.254,-18.64 46.692,-18.64 47.781,-17.551 49.007,-17.551 49.159,-17.4 ENC_2.3@50,-17.4
NetENC_2_4: ENC_2.4 STM32.28 | length 26.9
  Top Layer w0.152: STM32.28@41.125,-38.475 41.125,-26.88 44.079,-23.927 v1(44.079,-21.133) ; v1(46.263,-18.212) 48.075,-16.4 ENC_2.4@50,-16.4
  Bottom Layer w0.152: v1(44.079,-21.133) 44.968,-20.244 44.968,-19.507 v1(46.263,-18.212)
NetENC_2_5: ENC_2.5 STM32.69 | length 8.6
  Top Layer w0.152: STM32.69@47,-20.6 v1(47.99,-20.6) ; ENC_2.5@50,-15.4 51.107,-15.4 v1(51.114,-15.392)
  Signal Layer 2 w0.152: v1(47.99,-20.6) 51.114,-17.476 v1(51.114,-15.392)
NetENC_2_6: ENC_2.6 STM32.29 | length 40
  Top Layer w0.152: STM32.29@41.625,-38.475 41.625,-37.579 41.945,-37.259 42.709,-37.259 v1(44.231,-35.738) ; v1(48.879,-14.122) 49.157,-14.4 ENC_2.6@50,-14.4
  Signal Layer 2 w0.152: v1(44.231,-35.738) 44.412,-35.557 44.412,-26.775 45.158,-26.029 45.158,-25.197 45.133,-25.171 44.841,-25.171 44.561,-24.892 44.561,-20.872 43.904,-20.215 43.904,-19.479 44.714,-18.669 44.714,-10.795 45.095,-10.414 48.774,-10.414 49.079,-10.719 49.079,-13.922 v1(48.879,-14.122)
NetENC_3_3: ENC_3.3 STM32.48 | length 61.3
  Top Layer w0.152: ENC_3.3@31.5,-5.6 31.5,-0.742 31.582,-0.66 48.295,-0.66 51.419,-3.785 52.118,-3.785 52.461,-4.127 52.461,-30.074 49.819,-32.715 v1(48.892,-32.715) ; STM32.48@47,-31.1 v1(48.752,-31.1)
  Bottom Layer w0.152: v1(48.752,-31.1) 48.752,-32.575 v1(48.892,-32.715)
NetENC_3_4: ENC_3.4 STM32.112 | length 31.2
  Top Layer w0.152: STM32.112@25.75,-20.6 24.928,-20.6 24.825,-20.498 24.825,-11.455 24.724,-11.354 24.724,-10.49 25.537,-9.677 25.537,-0.953 25.93,-0.559 30.35,-0.559 30.744,-0.953 30.744,-4.354 30.5,-4.597 ENC_3.4@30.5,-5.6
NetENC_3_5: ENC_3.5 STM32.111 | length 20.3
  Top Layer w0.152: STM32.111@25.75,-20.1 26.645,-20.1 26.891,-20.346 27.476,-20.346 27.502,-20.32 27.502,-19.263 25.232,-16.993 25.232,-11.684 25.257,-11.659 27.035,-11.659 29.5,-9.194 ENC_3.5@29.5,-5.6
NetENC_3_6: ENC_3.6 STM32.47 | length 65
  Top Layer w0.152: ENC_3.6@28.5,-5.6 28.5,-4.326 v1(30.261,-2.565) ; STM32.47@47,-31.6 v1(48.27,-31.6)
  Bottom Layer w0.152: v1(30.261,-2.565) 30.261,-0.927 30.833,-0.356 38.313,-0.356 38.872,-0.914 52.207,-0.914 52.461,-1.168 52.461,-29.769 49.086,-33.144 48.498,-33.144 48.27,-32.915 v1(48.27,-31.6)
NetENC_4_3: ENC_4.3 STM32.67 | length 25.6
  Top Layer w0.152: STM32.67@47,-21.6 v1(48.653,-21.6) ; ENC_4.3@49.2,-38.4 v1(51.724,-38.4)
  Signal Layer 2 w0.152: v1(48.653,-21.6) 48.653,-20.635 49.248,-20.041 49.565,-20.041 50.149,-20.625 50.149,-32.363 50.102,-32.41 50.102,-33.622 51.724,-35.244 v1(51.724,-38.4)
NetENC_4_4: ENC_4.4 STM32.66 | length 20
  Top Layer w0.152: STM32.66@47,-22.1 48.955,-22.1 v1(49.413,-22.558) ; v1(48.066,-37.706) 48.373,-37.4 ENC_4.4@49.2,-37.4
  Signal Layer 2 w0.152: v1(48.066,-37.706) 47.558,-37.198 47.558,-31.166 49.413,-29.312 v1(49.413,-22.558)
NetENC_4_5: ENC_4.5 STM32.1 | length 58.7
  Top Layer w0.152: STM32.1@27.625,-38.475 27.625,-37.493 v1(27.67,-37.448) ; ENC_4.5@49.2,-36.4 50.323,-36.4 v1(50.325,-36.398)
  Signal Layer 2 w0.152: v1(27.67,-37.448) 27.67,-53.023 28.191,-53.543 33.284,-53.543 33.563,-53.823 50.073,-53.823 51.165,-52.73 51.165,-41.25 50.325,-40.41 v1(50.325,-36.398)
NetENC_4_6: ENC_4.6 STM32.68 | length 19.6
  Top Layer w0.152: STM32.68@47,-21.1 48.836,-21.1 v1(49.413,-20.523) ; v1(48.066,-35.4) ENC_4.6@49.2,-35.4
  Signal Layer 2 w0.152: v1(48.066,-35.4) 49.797,-33.67 49.797,-32.156 49.844,-32.109 49.844,-20.955 v1(49.413,-20.523)
NetENC_AB_1_3: ENC_AB_1.3 STM32.60 | length 66.2
  Top Layer w0.152: v1(3.87,-43.3) ENC_AB_1.3@5,-43.3 ; v1(46.009,-25.095) 46.014,-25.1 STM32.60@47,-25.1
  Signal Layer 1 w0.152: v1(3.87,-43.3) 3.87,-35.378 7.055,-32.194 17.853,-32.194 18.323,-32.664 24.8,-32.664 25.384,-32.08 25.384,-31.166 26.4,-30.15 30.613,-30.15 30.664,-30.201 35.672,-30.201 45.066,-20.806 45.066,-19.98 45.438,-19.609 46.384,-19.609 46.441,-19.666 46.441,-24.663 v1(46.009,-25.095)
NetENC_AB_1_4: ENC_AB_1.4 STM32.64 | length 51.1
  Top Layer w0.152: ENC_AB_1.4@5,-44.3 v1(6.131,-44.3) ; v1(45.692,-22.772) 46.02,-23.1 STM32.64@47,-23.1
  Signal Layer 1 w0.152: v1(6.131,-44.3) 14.998,-35.433 25.105,-35.433 26.4,-34.138 34.327,-34.138 v1(45.692,-22.772)
NetENC_AB_2_3: ENC_AB_2.3 STM32.110 | length 47
  Top Layer w0.152: ENC_AB_2.3@7.9,-49.8 7.9,-48.675 v1(7.909,-48.666) ; STM32.110@25.75,-19.6 26.756,-19.6 v1(27.073,-19.918)
  Signal Layer 1 w0.152: v1(14.767,-19.533) 15.021,-19.787 26.942,-19.787 v1(27.073,-19.918)
  Signal Layer 2 w0.152: v1(7.909,-48.666) 7.909,-26.391 v1(14.767,-19.533)
NetENC_AB_2_4: ENC_AB_2.4 STM32.35 | length 50
  Top Layer w0.152: v1(8.9,-50.927) ENC_AB_2.4@8.9,-49.8 ; v1(44.307,-41.3) 44.625,-40.983 STM32.35@44.625,-38.475
  Signal Layer 1 w0.152: v1(8.9,-50.927) 10.907,-52.934 41.018,-52.934 44.307,-49.644 v1(44.307,-41.3)
NetENC_AB_3_3: ENC_AB_3.3 STM32.96 | length 38.7
  Top Layer w0.152: v1(32.979,-15.9) 33.625,-16.547 STM32.96@33.625,-17.225
  Signal Layer 1 w0.152: v1(32.979,-15.9) 33.411,-15.469 36.545,-15.469 36.671,-15.595 39.135,-15.595 39.262,-15.469 44.333,-15.469 v1(48.651,-11.151)
  Signal Layer 2 w0.152: v1(48.27,-27.9) 47.269,-26.899 47.269,-12.533 v1(48.651,-11.151)
  Bottom Layer w0.152: v1(48.27,-27.9) ENC_AB_3.3@49.9,-27.9
NetENC_AB_3_4: ENC_AB_3.4 STM32.135 | length 35.9
  Top Layer w0.152: STM32.135@25.75,-32.1 v1(30.56,-32.1)
  Bottom Layer w0.152: v1(30.56,-32.1) 31.353,-32.893 33.703,-32.893 35.033,-34.223 35.033,-35.868 34.884,-36.017 34.884,-37.871 34.909,-37.897 39.088,-37.897 39.43,-37.554 39.43,-36.855 40.142,-36.144 40.142,-31.75 41.615,-30.277 47.99,-30.277 48.422,-29.845 48.422,-29.408 48.93,-28.9 ENC_AB_3.4@49.9,-28.9